# Altium PCB 电解模块主控板SC_V1.1_ZM_20211015.PcbDoc (part 2 of 4) (continued)
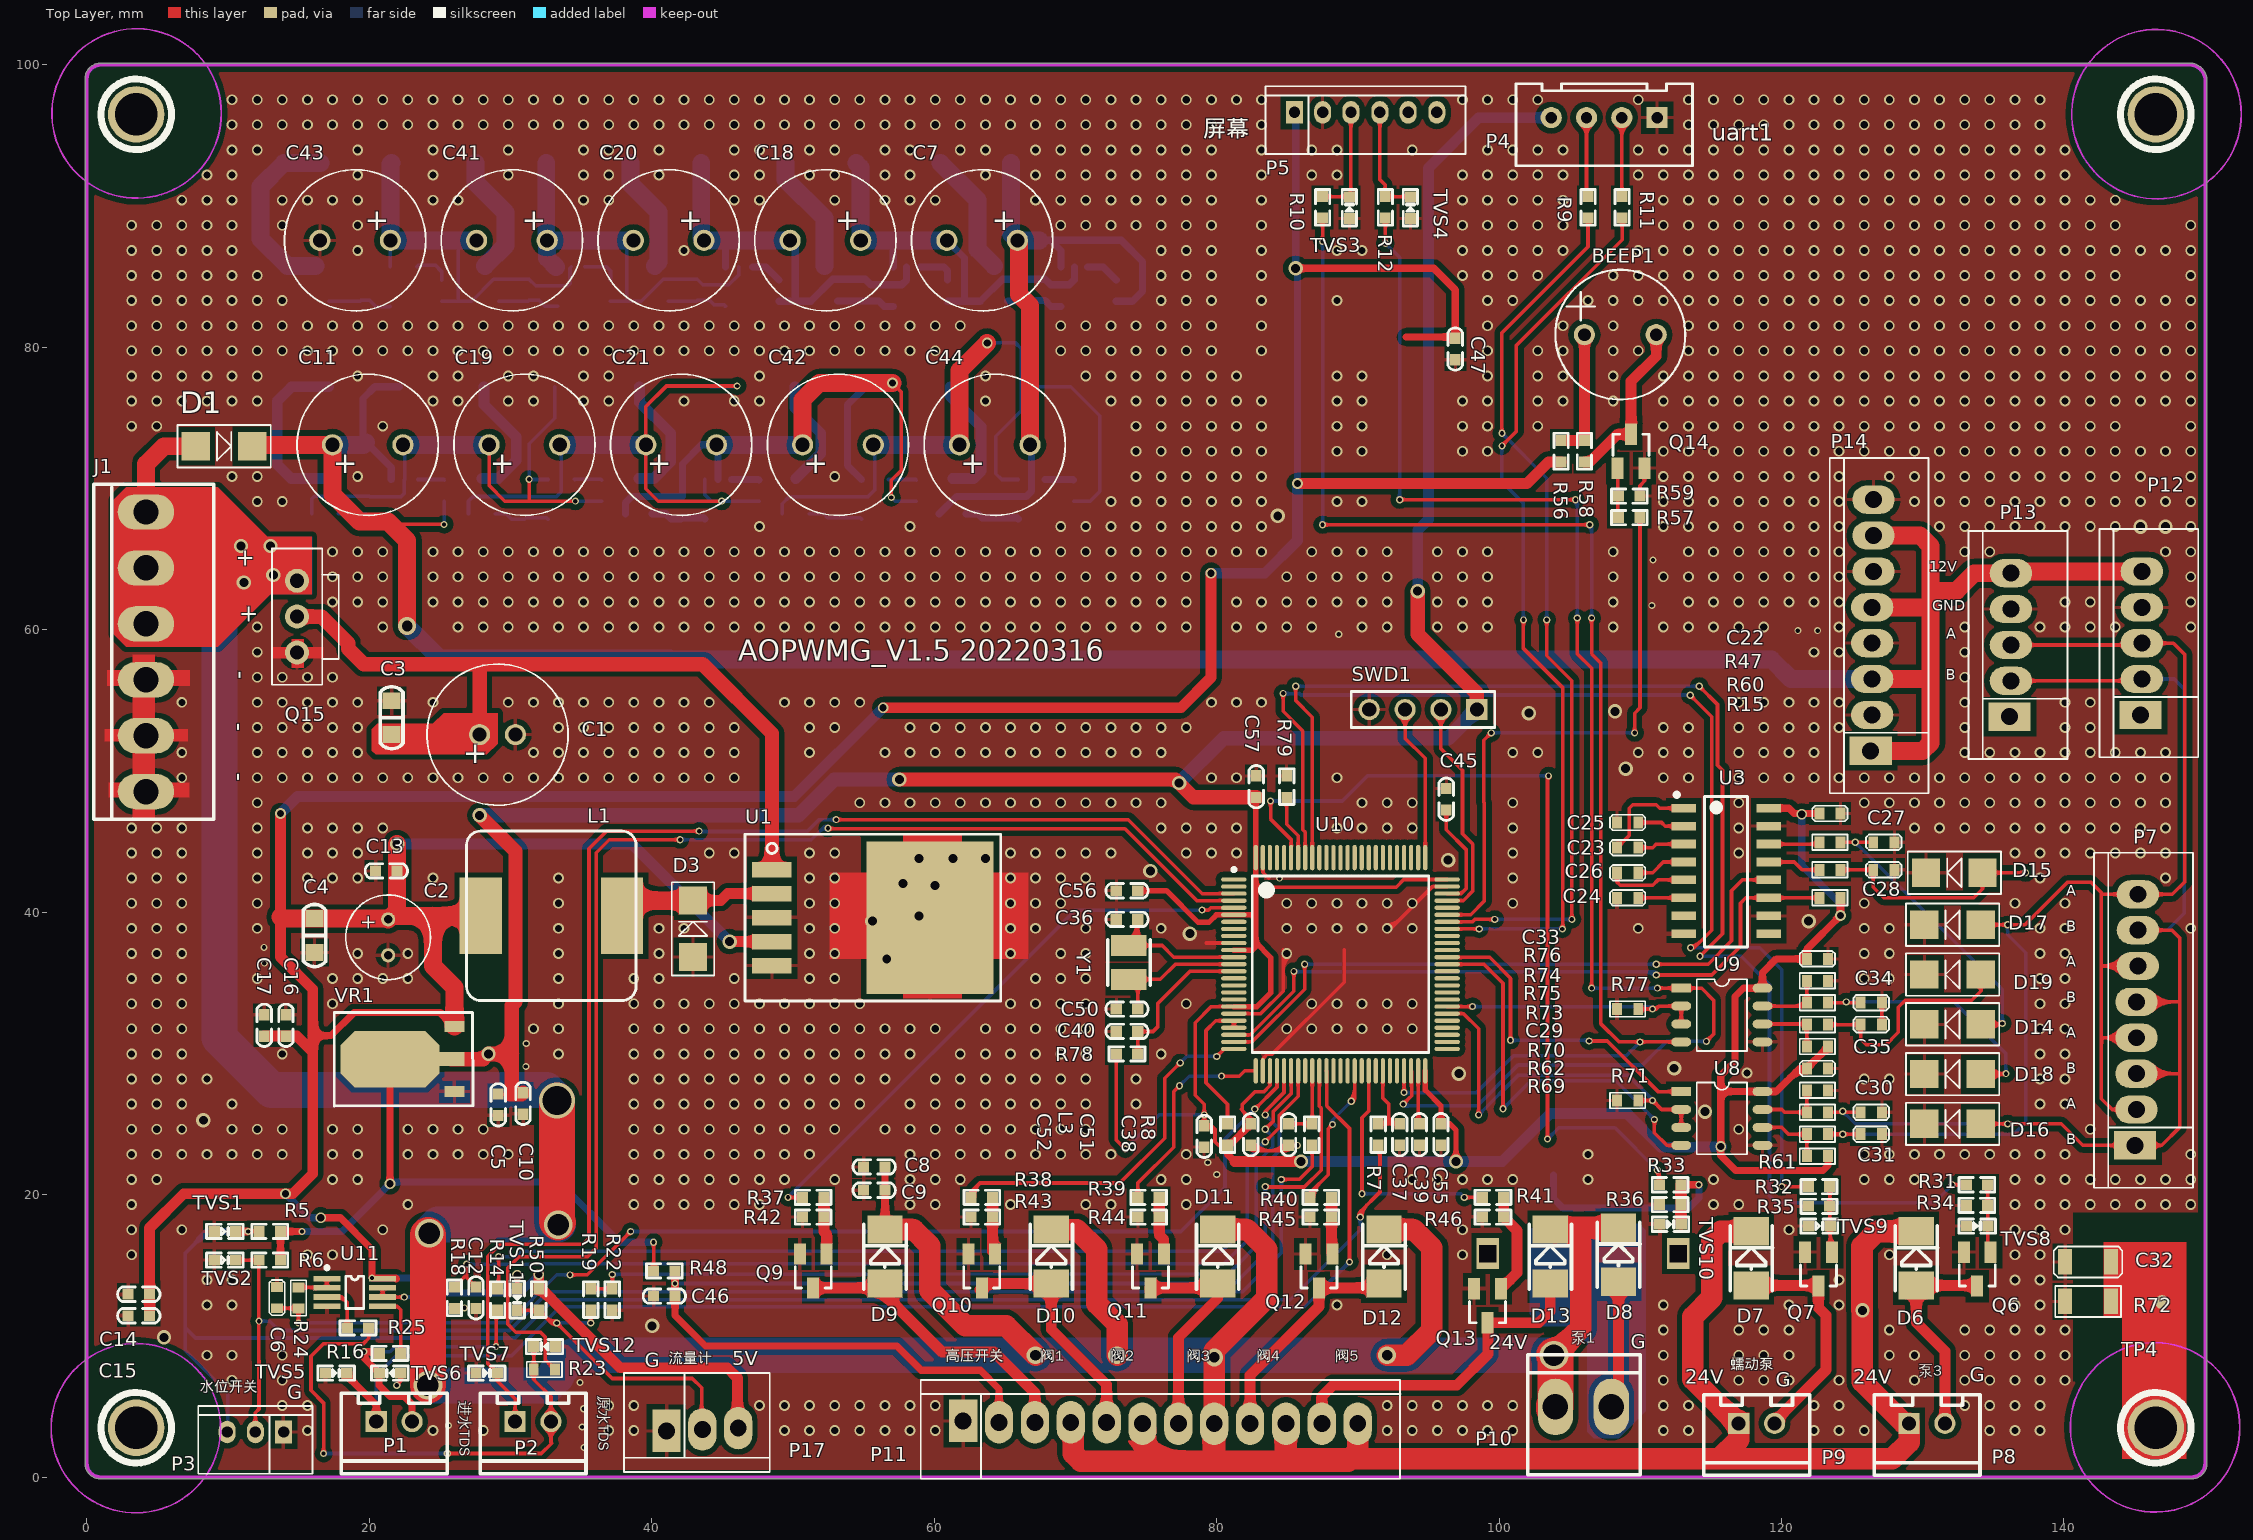
[diagram p0: Top Layer view]
## Nets (pads, with @x,y where several pads share a name; then routed paths per layer and width w, separated by ;. In a path a pad name is that pad's centre, name@x,y a point inside that pad or via, vN(x,y) a via of type N, cw(c..) or ccw(c..) an arc to the next point about the centre after c; other vN are vias at no path point) (continued)
 3.175,86.868 4.953,86.868 6.731,86.868 8.509,86.868 10.287,86.868 19.177,86.868 42.291,86.868 76.073,86.868 77.851,86.868 79.629,86.868 83.185,86.868 88.519,86.868 90.297,86.868 97.409,86.868 99.187,86.868 100.965,86.868 102.743,86.868 104.521,86.868 109.855,86.868 111.633,86.868 113.411,86.868 115.189,86.868 116.967,86.868 118.745,86.868 120.523,86.868 122.301,86.868 124.079,86.868 125.857,86.868 127.635,86.868 129.413,86.868 131.191,86.868 132.969,86.868 134.747,86.868 136.525,86.868 138.303,86.868 140.081,86.868 141.859,86.868 143.637,86.868 145.415,86.868 147.193,86.868 148.971,86.868 3.175,88.646 4.953,88.646 6.731,88.646 8.509,88.646 10.287,88.646 13.843,88.646 19.177,88.646 68.961,88.646 70.739,88.646 72.517,88.646 74.295,88.646 76.073,88.646 77.851,88.646 79.629,88.646 83.185,88.646 97.409,88.646 99.187,88.646 100.965,88.646 102.743,88.646 104.521,88.646 111.633,88.646 113.411,88.646 115.189,88.646 116.967,88.646 118.745,88.646 120.523,88.646 122.301,88.646 124.079,88.646 125.857,88.646 127.635,88.646 129.413,88.646 131.191,88.646 132.969,88.646 134.747,88.646 136.525,88.646 138.303,88.646 140.081,88.646 141.859,88.646 143.637,88.646 148.971,88.646 6.731,90.424 8.509,90.424 10.287,90.424 13.843,90.424 15.621,90.424 17.399,90.424 19.177,90.424 24.511,90.424 26.289,90.424 35.179,90.424 36.957,90.424 45.847,90.424 47.625,90.424 52.959,90.424 56.515,90.424 58.293,90.424 60.071,90.424 67.183,90.424 68.961,90.424 70.739,90.424 72.517,90.424 74.295,90.424 76.073,90.424 77.851,90.424 79.629,90.424 83.185,90.424 97.409,90.424 99.187,90.424 100.965,90.424 102.743,90.424 104.521,90.424 111.633,90.424 113.411,90.424 115.189,90.424 116.967,90.424 118.745,90.424 120.523,90.424 122.301,90.424 124.079,90.424 125.857,90.424 127.635,90.424 129.413,90.424 131.191,90.424 132.969,90.424 134.747,90.424 136.525,90.424 138.303,90.424 140.081,90.424 141.859,90.424 143.637,90.424 8.509,92.202 10.287,92.202 19.177,92.202 24.511,92.202 29.845,92.202 35.179,92.202 36.957,92.202 40.513,92.202 45.847,92.202 47.625,92.202 51.181,92.202 52.959,92.202 56.515,92.202 58.293,92.202 63.627,92.202 67.183,92.202 68.961,92.202 70.739,92.202 72.517,92.202 74.295,92.202 76.073,92.202 77.851,92.202 79.629,92.202 83.185,92.202 86.741,92.202 88.519,92.202 97.409,92.202 99.187,92.202 100.965,92.202 102.743,92.202 104.521,92.202 109.855,92.202 111.633,92.202 113.411,92.202 115.189,92.202 116.967,92.202 118.745,92.202 120.523,92.202 122.301,92.202 124.079,92.202 125.857,92.202 127.635,92.202 129.413,92.202 131.191,92.202 132.969,92.202 134.747,92.202 136.525,92.202 138.303,92.202 140.081,92.202 10.287,93.98 12.065,93.98 19.177,93.98 24.511,93.98 29.845,93.98 35.179,93.98 36.957,93.98 40.513,93.98 45.847,93.98 47.625,93.98 51.181,93.98 52.959,93.98 56.515,93.98 58.293,93.98 61.849,93.98 63.627,93.98 67.183,93.98 68.961,93.98 70.739,93.98 72.517,93.98 74.295,93.98 76.073,93.98 77.851,93.98 79.629,93.98 83.185,93.98 86.741,93.98 88.519,93.98 93.853,93.98 99.187,93.98 100.965,93.98 102.743,93.98 104.521,93.98 109.855,93.98 111.633,93.98 113.411,93.98 115.189,93.98 116.967,93.98 118.745,93.98 120.523,93.98 122.301,93.98 124.079,93.98 125.857,93.98 127.635,93.98 129.413,93.98 131.191,93.98 132.969,93.98 134.747,93.98 136.525,93.98 138.303,93.98 140.081,93.98 10.287,95.758 12.065,95.758 13.843,95.758 15.621,95.758 17.399,95.758 19.177,95.758 20.955,95.758 22.733,95.758 24.511,95.758 26.289,95.758 28.067,95.758 29.845,95.758 31.623,95.758 33.401,95.758 35.179,95.758 36.957,95.758 38.735,95.758 40.513,95.758 42.291,95.758 44.069,95.758 45.847,95.758 47.625,95.758 49.403,95.758 51.181,95.758 52.959,95.758 54.737,95.758 56.515,95.758 58.293,95.758 60.071,95.758 61.849,95.758 63.627,95.758 65.405,95.758 67.183,95.758 68.961,95.758 70.739,95.758 72.517,95.758 74.295,95.758 76.073,95.758 77.851,95.758 79.629,95.758 83.185,95.758 113.411,95.758 115.189,95.758 116.967,95.758 118.745,95.758 120.523,95.758 122.301,95.758 124.079,95.758 125.857,95.758 127.635,95.758 129.413,95.758 131.191,95.758 132.969,95.758 134.747,95.758 136.525,95.758 138.303,95.758 10.287,97.536 12.065,97.536 13.843,97.536 15.621,97.536 17.399,97.536 19.177,97.536 20.955,97.536 22.733,97.536 24.511,97.536 26.289,97.536 28.067,97.536 29.845,97.536 31.623,97.536 33.401,97.536 35.179,97.536 36.957,97.536 38.735,97.536 40.513,97.536 42.291,97.536 44.069,97.536 45.847,97.536 47.625,97.536 49.403,97.536 51.181,97.536 52.959,97.536 54.737,97.536 56.515,97.536 58.293,97.536 60.071,97.536 61.849,97.536 63.627,97.536 65.405,97.536 67.183,97.536 68.961,97.536 70.739,97.536 72.517,97.536 74.295,97.536 76.073,97.536 77.851,97.536 79.629,97.536 81.407,97.536 83.185,97.536 97.409,97.536 99.187,97.536 100.965,97.536 102.743,97.536 109.855,97.536 113.411,97.536 115.189,97.536 116.967,97.536 118.745,97.536 120.523,97.536 122.301,97.536 124.079,97.536 125.857,97.536 127.635,97.536 129.413,97.536 131.191,97.536 132.969,97.536 134.747,97.536 136.525,97.536 138.303,97.536
  other v2: 35.204,2.108 35.077,3.556 25.603,3.658 35.179,4.851 34.925,6.706 80.01,21.438 79.375,22.276 31.09,29.083 31.115,30.709 12.573,36.398 12.548,37.516 84.455,42.418 88.646,59.69 121.158,59.944 122.555,59.944 110.82,61.722 110.896,64.948
  other v3: 5.461,9.906 40.03,10.719 8.255,25.273 114.579,25.883 97.155,28.575 112.395,28.956 56.642,36.703 78.105,38.481 55.626,39.37 121.92,39.37 58.928,39.751 60.071,41.91 57.785,42.037 75.311,42.926 96.393,43.688 58.928,43.815 61.341,43.815 63.627,43.815 108.966,50.165 102.108,54.102 108.204,54.229 145.415,67.31 147.193,67.31 84.328,68.072
J3-2: C28.1 D15.1 R60.2 | length 19.9
  Top Layer w0.254: R60.2@124.182,43.011 C28.1@126.492,43.011 126.492,41.783 127.254,41.021 133.604,41.021 134.239,41.656 ; R60.2@124.34,42.853 cw(c124.72,42.472) 124.72,43.011 cw(c124.72,43.549) R60.2@124.34,43.168 ; C28.1@126.334,42.778 cw(c125.954,42.397) 126.492,42.397 cw(c127.03,42.397) C28.1@126.65,42.778 ; C28.1@126.334,42.853 ccw(c125.954,42.472) 125.954,43.011 ccw(c125.954,43.549) C28.1@126.334,43.168 ; D15.1@134.009,41.957 cw(c133.927,41.656) 134.239,41.656 ; D15.1@134.469,41.957 ccw(c134.551,41.656) 134.239,41.656 ; v2@137.197,42.709 ccw(c136.98,42.492) 136.98,42.799 ccw(c136.98,43.106) v2@137.197,42.889 ; v2(137.287,42.799) D15.1@134.239,42.799 134.239,41.656
J3-3: C27.1 D14.1 R47.2 | length 25.3
  Top Layer w0.254: R47.2@124.182,44.958 C27.1@126.492,44.958 ; D14.1@134.112,32.067 v2@135.572,32.067 ; D14.1@134.657,31.774 cw(c135.148,31.511) 135.148,32.067 cw(c135.148,32.624) D14.1@134.657,32.361 ; D14.1@134.881,31.654 cw(c135.572,31.282) v2@135.572,32.067 ; D14.1@134.881,32.481 ccw(c135.572,32.853) v2@135.572,32.067 ; 135.176,32.067 ccw(c135.176,32.591) v2@135.546,32.221 ; v2(135.636,32.131) v2@135.572,32.067
  Bottom Layer w0.254: v2@125.222,44.831 cw(c125.222,44.524) 125.439,44.741 cw(c125.656,44.958) v2@125.349,44.958 ; v2(125.222,44.958) 135.636,34.544 v2(135.636,32.131) ; v2@135.546,32.221 ccw(c135.329,32.438) 135.636,32.438 ccw(c135.943,32.438) v2@135.726,32.221
J3-4: C31.1 D17.1 P7.2 P7.4 P7.6 P7.8 P12.3 P13.3 R69.2 | length 113.4
  Top Layer w0.254: R69.2@123.293,24.285 v2(124.333,24.285) C31.1@125.603,24.285 ; R69.2@123.451,24.128 cw(c123.831,23.747) 123.831,24.285 cw(c123.831,24.824) R69.2@123.451,24.443 ; v2@124.243,24.195 ccw(c124.026,23.979) 124.026,24.285 ccw(c124.026,24.592) v2@124.243,24.375 ; v2@124.423,24.195 cw(c124.64,23.979) 124.64,24.285 cw(c124.64,24.592) v2@124.423,24.375 ; C31.1@125.445,24.128 ccw(c125.065,23.747) 125.065,24.285 ccw(c125.065,24.824) C31.1@125.445,24.443 ; D17.1@134.112,39.116 v2(136.017,39.116) 137.236,39.116 140.233,42.113 141.935,42.113 142.646,41.402 142.646,31.013 ; v2@135.927,39.026 ccw(c135.71,38.809) 135.71,39.116 ccw(c135.71,39.423) v2@135.927,39.206 ; v2@136.107,39.026 cw(c136.324,38.809) 136.324,39.116 cw(c136.324,39.423) v2@136.107,39.206 ; P13.3@136.244,58.928 145.388,58.928 P12.3@145.515,59.055 147.752,59.055 148.565,58.242 148.565,42.164 147.676,41.275 P7.8@145.234,41.275 142.773,41.275 ; P7.2@143.809,25.75 ccw(c143.408,25.611) 143.408,26.035 ; P7.2@143.809,26.32 cw(c143.408,26.459) 143.408,26.035 ; P7.4@143.968,30.55 ccw(c142.748,29.515) 142.748,31.115 ; P7.4@143.968,31.68 cw(c142.748,32.715) 142.748,31.115 ; P7.6@144.102,35.593 ccw(c142.697,34.256) 142.697,36.195 ; P7.6@144.102,36.797 cw(c142.697,38.134) 142.697,36.195 ; P7.4@144.162,30.714 ccw(c143.297,29.98) 143.297,31.115 ccw(c143.297,32.25) P7.4@144.162,31.516 ; P7.6@144.286,35.768 ccw(c143.29,34.82) 143.29,36.195 ccw(c143.29,37.57) P7.6@144.286,36.622 ; P7.2@145.134,26.035 143.408,26.035 ; P7.4@145.134,31.115 142.748,31.115 ; P7.6@145.234,36.195 142.697,36.195 ; 142.646,31.013 142.646,26.797 143.408,26.035 ; 142.646,31.013 142.748,31.115
  Bottom Layer w0.254: v2(124.333,24.285) 136.426,24.285 137.287,25.146 137.287,37.135 136.017,38.405 v2(136.017,39.116) ; v2@124.423,24.195 cw(c124.64,23.979) 124.64,24.285 cw(c124.64,24.592) v2@124.423,24.375 ; v2@135.927,39.026 cw(c135.71,38.809) 136.017,38.809 cw(c136.324,38.809) v2@136.107,39.026
J3-7: C35.1 D19.1 R75.2 | length 19.2
  Top Layer w0.254: R75.2@123.293,32.046 C35.1@125.603,32.046 125.603,31.03 126.026,30.607 127.381,30.607 128.27,31.496 128.27,33.274 128.778,33.782 133.477,33.782 134.112,34.417 ; R75.2@123.451,31.889 cw(c123.831,31.508) 123.831,32.046 cw(c123.831,32.585) R75.2@123.451,32.204 ; C35.1@125.445,31.814 cw(c125.065,31.433) 125.603,31.433 cw(c126.141,31.433) C35.1@125.761,31.814 ; C35.1@125.445,31.889 ccw(c125.065,31.508) 125.065,32.046 ccw(c125.065,32.585) C35.1@125.445,32.204 ; D19.1@133.86,34.756 cw(c133.758,34.417) 134.112,34.417 ; D19.1@134.112,35.592 134.112,34.417 ; D19.1@134.364,34.756 ccw(c134.466,34.417) 134.112,34.417
J3-8: C34.1 D18.1 R74.2 | length 23.8
  Top Layer w0.254: R74.2@123.293,33.599 C34.1@125.603,33.599 ; D18.1@134.112,28.543 v2@135.858,28.543 ; D18.1@134.607,28.172 cw(c135.35,27.615) 135.35,28.543 cw(c135.35,29.472) D18.1@134.607,28.915 ; D18.1@134.81,28.019 cw(c135.858,27.233) v2@135.858,28.543 ; D18.1@134.81,29.067 ccw(c135.858,29.853) v2@135.858,28.543 ; 135.507,28.543 ccw(c135.507,28.958) v2@135.8,28.665 ; v2(135.89,28.575) v2@135.858,28.543
  Bottom Layer w0.254: v2(124.587,33.655) 132.207,33.655 135.89,29.972 v2(135.89,28.575) ; v2@124.677,33.565 cw(c124.894,33.348) 124.894,33.655 cw(c124.894,33.962) v2@124.677,33.745 ; v2@135.8,28.665 ccw(c135.583,28.882) 135.89,28.882 ccw(c136.197,28.882) v2@135.98,28.665
J3-9: C30.1 D16.1 P7.1 P7.3 P7.5 P7.7 P12.2 P13.2 R62.2 | length 99.3
  Top Layer w0.254: R62.2@123.293,25.837 C30.1@125.603,25.837 ; D16.1@134.112,25.019 v2(136.017,25.019) 139.802,25.019 141.326,23.495 P7.1@145.034,23.495 146.914,23.495 ; v2@135.927,24.929 ccw(c135.71,24.712) 135.71,25.019 ccw(c135.71,25.326) v2@135.927,25.109 ; v2@136.107,24.929 cw(c136.324,24.712) 136.324,25.019 cw(c136.324,25.326) v2@136.107,25.109 ; P13.2@136.244,56.388 145.388,56.388 P12.2@145.515,56.515 ; P7.3@145.134,28.575 148.158,28.575 148.184,28.6 ; P7.5@145.134,33.655 148.158,33.655 148.184,33.63 ; P7.7@145.234,38.735 147.65,38.735 148.184,38.202 148.184,33.63 ; P7.3@146.072,28.137 cw(c147.128,27.081) 147.128,28.575 cw(c147.128,30.069) P7.3@146.072,29.013 ; P7.5@146.072,33.217 cw(c147.128,32.161) 147.128,33.655 cw(c147.128,35.149) P7.5@146.072,34.093 ; P7.3@146.251,27.958 cw(c147.742,26.467) 147.742,28.575 cw(c147.742,30.683) P7.3@146.251,29.192 ; P7.5@146.251,33.038 cw(c147.742,31.547) 147.742,33.655 cw(c147.742,35.763) P7.5@146.251,34.272 ; P7.1@146.323,23.121 cw(c146.914,22.841) 146.914,23.495 ; P7.1@146.323,23.869 ccw(c146.914,24.149) 146.914,23.495 ; 146.914,23.495 148.184,24.765 148.184,28.6 ; 148.184,28.6 148.184,33.63
  Bottom Layer w0.254: v2@124.333,25.781 cw(c124.333,25.474) 124.55,25.691 cw(c124.767,25.908) v2@124.46,25.908 ; v2(124.333,25.908) 125.222,25.019 v2(136.017,25.019) ; v2@135.927,24.929 ccw(c135.71,24.712) 135.71,25.019 ccw(c135.71,25.326) v2@135.927,25.109 ; P7.7@145.234,38.735 147.32,38.735 148.514,39.929 148.514,55.804 147.803,56.515 P12.2@145.515,56.515
LOW: P3.3 R5.2 R7.1 TVS1.2 | length 118
  Top Layer w0.254: v2@11.52,17.309 cw(c11.737,17.092) 11.737,17.399 cw(c11.737,17.706) v2@11.52,17.489 ; R5.2@11.965,17.253 ccw(c11.684,17.055) 11.684,17.399 ; R5.2@11.965,17.545 cw(c11.684,17.743) 11.684,17.399 ; R5.2@12.192,17.399 11.684,17.399 ; v2@90.043,18.415 cw(c90.656,18.415) 90.223,18.849 ; v2@90.08,18.505 ccw(c89.863,18.722) 90.17,18.722 ccw(c90.477,18.722) v2@90.26,18.505 ; v2(90.17,18.415) 90.17,18.796 91.567,20.193 91.567,23.368 R7.1@91.44,23.495 ; v2@90.297,18.415 cw(c91.523,18.415) 90.656,19.282 ; R7.1@91.26,23.296 cw(c90.52,22.556) 91.567,22.556
  Top Layer w0.508: TVS1.2@10.541,17.399 v2(11.43,17.399)
  Bottom Layer w0.254: 7.97,16.86 6.985,15.875 6.985,10.566 ; P3.3@9.97,3.2 9.97,5.977 6.985,8.962 6.985,10.566 ; v2@90.08,18.325 cw(c89.863,18.108) 90.17,18.108 cw(c90.477,18.108) v2@90.26,18.325 ; v2(90.17,18.415) 90.17,17.526 85.217,12.573 33.045,12.573 30.328,9.855 7.696,9.855 6.985,10.566
  Bottom Layer w0.508: 7.97,16.86 8.509,17.399 v2(11.43,17.399)
NetBEEP1_1: BEEP1.1 R56.1 R58.2 | length 10.4
  Top Layer w0.762: R56.1@104.394,73.406 R58.2@106.045,73.406 BEEP1.1@106.045,80.772 ; BEEP1.1@105.784,80.638 cw(c105.154,80.008) 106.045,80.008 cw(c106.936,80.008) BEEP1.1@106.306,80.638
NetBEEP1_2: BEEP1.2 Q14.3 R58.1 | length 13.9
  Top Layer w0.762: R58.1@106.045,71.882 106.426,71.882 108.388,73.844 Q14.3@109.347,73.844 109.347,77.597 111.125,79.375 BEEP1.2@111.125,80.772 ; R58.1@106.045,71.901 ccw(c106.045,72.867) 106.728,72.184 ; BEEP1.2@110.864,80.638 cw(c110.234,80.008) 111.125,80.008 cw(c112.016,80.008) BEEP1.2@111.386,80.638
NetC6_2: C6.2 R24.1 U10.29 | length 88.3
  Top Layer w0.254: C6.2@13.462,11.962 14.962,11.962 R24.1@14.986,11.938 v2(14.986,10.922) ; C6.2@13.695,11.804 cw(c14.075,11.424) 14.075,11.962 cw(c14.075,12.5) C6.2@13.695,12.12 ; 14.315,11.962 cw(c14.315,11.342) R24.1@14.753,11.78 ; 14.431,11.962 ccw(c14.431,12.418) R24.1@14.753,12.096 ; R24.1@14.828,11.78 cw(c14.448,11.4) 14.986,11.4 cw(c15.524,11.4) R24.1@15.144,11.78 ; v2@14.896,11.012 ccw(c14.679,11.229) 14.986,11.229 ccw(c15.293,11.229) v2@15.076,11.012 ; v2(34.214,14.326) 35.433,14.326 v2(38.506,17.399) ; v2@34.304,14.236 cw(c34.52,14.019) 34.52,14.326 cw(c34.52,14.632) v2@34.304,14.415 ; v2@38.379,17.399 cw(c38.073,17.399) 38.29,17.182 cw(c38.506,16.965) v2@38.506,17.272 ; v2(82.702,26.06) 84.273,27.631 U10.29@84.273,28.772 ; v2@82.702,26.187 ccw(c82.702,26.494) 82.919,26.277 ccw(c83.136,26.06) v2@82.829,26.06
  Bottom Layer w0.254: v2(14.986,10.922) 29.883,10.922 33.287,14.326 v2(34.214,14.326) ; v2@15.076,10.832 cw(c15.293,10.615) 15.293,10.922 cw(c15.293,11.229) v2@15.076,11.012 ; v2@34.124,14.236 ccw(c33.907,14.019) 33.907,14.326 ccw(c33.907,14.632) v2@34.124,14.415 ; v2(38.506,17.399) 77.47,17.399 80.594,20.523 80.594,23.952 v2(82.702,26.06) ; v2@38.596,17.309 cw(c38.813,17.092) 38.813,17.399 cw(c38.813,17.706) v2@38.596,17.489 ; v2@82.575,26.06 cw(c82.269,26.06) 82.486,25.844 cw(c82.702,25.627) v2@82.702,25.933
NetC7_1: C7.1 C44.2 Q20.2 R1.1 R27.1 R114.2 U4.1 U15.2 | length 46.9
  Top Layer w1.27: C7.1@65.898,87.579 66.015,87.463 66.015,83.744 66.787,82.971 C44.2@66.787,73.101
  Bottom Layer w0.508: Q20.2@60.366,68.219 61.583,69.437 R114.2@64.313,69.437 66.516,69.437 66.904,69.825 U15.2@66.904,70.644 66.904,72.985 C44.2@66.787,73.101 ; 67.462,87.579 68.25,87.579 ; U4.1@68.976,85.7 68.976,86.853 68.25,87.579 ; R27.1@72.898,83.272 74.051,83.272 74.752,83.972 74.752,86.081 73.254,87.579 68.25,87.579
  Bottom Layer w1.27: R1.1@65.456,93.04 65.456,88.022 C7.1@65.898,87.579 67.462,87.579
NetC7_2: C7.2 C18.1 Q1.2 R28.2 R30.1 R65.1 U4.2 U6.1 | length 29.2
  Bottom Layer w0.508: U6.1@57.102,85.7 57.102,87.556 57.125,87.579 ; C7.2@60.898,87.579 62.154,86.324 62.154,83.272 ; R65.1@60.954,83.272 62.154,83.272 ; U4.2@69.926,85.7 69.926,84.785 69.571,84.43 68.25,84.43 67.857,84.822 R28.2@67.031,84.822 64.834,84.822 Q1.2@63.287,83.275 63.284,83.272 62.154,83.272
  Bottom Layer w1.27: R30.1@54.482,93.04 54.799,92.724 C18.1@54.799,87.579 57.125,87.579 C7.2@60.898,87.579
NetC11_2: C11.2 C19.1 Q2.2 R29.2 R53.1 R64.1 U2.2 U5.1 | length 39
  Top Layer w0.254: C19.1@28.488,73.101 28.488,70.216 29.591,69.113 31.217,69.113 ; v2(31.318,70.663) 31.318,69.215 31.217,69.113 ; v2(34.595,69.113) 31.217,69.113
  Bottom Layer w0.254: Q2.2@15.916,68.219 15.916,69.256 16.129,69.469 20.008,69.469 R29.2@20.041,69.437 22.269,69.437 22.479,69.647 22.479,70.619 U2.2@22.504,70.644 22.504,72.985 C11.2@22.388,73.101 ; U5.1@32.654,70.644 31.337,70.644 v2(31.318,70.663) 31.318,73.177 33.133,74.993 R53.1@33.133,77.216 ; v2(34.595,69.113) 34.603,69.105 R64.1@36.462,69.105
  Bottom Layer w1.27: C11.2@22.388,73.101 C19.1@28.488,73.101
NetC12_2: C12.2 R18.1 U10.31 | length 74.7
  Top Layer w0.254: R18.1@26.035,13.462 26.899,14.326 ; v2@26.809,14.998 cw(c26.592,14.781) 26.899,14.781 cw(c27.205,14.781) v2@26.988,14.998 ; v2(26.899,15.088) 26.899,14.326 ; C12.2@27.559,13.462 26.899,14.122 26.899,14.326 ; v2(83.439,24.638) 84.023,25.222 84.023,25.908 85.273,27.158 U10.31@85.273,28.772 ; v2@83.439,24.765 ccw(c83.439,25.072) 83.656,24.855 ccw(c83.873,24.638) v2@83.566,24.638
  Bottom Layer w0.254: v2(26.899,15.088) 31.471,15.088 31.496,15.113 80.518,15.113 82.804,17.399 82.804,22.225 83.972,23.393 83.972,24.105 v2(83.439,24.638) ; v2@26.988,14.998 cw(c27.205,14.781) 27.205,15.088 cw(c27.205,15.394) v2@26.988,15.177 ; v2@83.439,24.511 cw(c83.439,24.204) 83.656,24.421 cw(c83.873,24.638) v2@83.566,24.638
NetC18_2: C18.2 C20.1 Q3.2 R66.2 R68.1 R88.1 U6.2 U12.1 | length 29
  Bottom Layer w0.508: 44.983,87.579 45.227,87.335 U12.1@45.227,85.7 ; R88.1@49.009,83.272 50.165,83.272 ; C18.2@49.799,87.579 50.165,87.213 50.165,83.272 ; U6.2@58.052,85.7 58.052,84.773 57.709,84.43 55.517,84.43 R66.2@55.124,84.822 52.824,84.822 Q3.2@51.276,83.275 51.273,83.272 50.165,83.272
  Bottom Layer w1.27: R68.1@43.508,93.04 43.508,87.77 C20.1@43.699,87.579 44.983,87.579 C18.2@49.799,87.579
NetC19_2: C19.2 C21.1 Q4.2 R67.2 R83.1 R87.1 U5.2 U7.1 | length 42.9
  Top Layer w0.254: v2(44.958,69.113) 40.462,69.113 39.588,69.988 C21.1@39.588,73.101 39.588,75.808 41.046,77.267 v2(46.05,77.267)
  Bottom Layer w0.254: Q4.2@27.028,68.219 27.028,69.116 27.356,69.444 31.102,69.444 R67.2@31.109,69.437 33.267,69.437 33.604,69.774 U5.2@33.604,70.644 33.604,72.985 C19.2@33.488,73.101 ; U7.1@43.754,70.644 43.754,69.581 44.23,69.105 R87.1@47.6,69.105 ; R83.1@44.143,77.216 45.999,77.216 v2(46.05,77.267)
  Bottom Layer w1.27: C19.2@33.488,73.101 C21.1@39.588,73.101
NetC20_2: C20.2 C41.1 Q5.2 R89.2 R91.1 R100.1 U12.2 U14.1 | length 29
  Bottom Layer w0.254: R100.1@37.065,83.272 38.227,83.272 ; C20.2@38.699,87.579 38.227,87.107 38.227,83.272 ; U12.2@46.177,85.7 46.177,85.141 45.466,84.43 43.611,84.43 R89.2@43.218,84.822 40.814,84.822 Q5.2@39.266,83.275 39.263,83.272 38.227,83.272
  Bottom Layer w1.27: R91.1@32.535,93.04 32.535,87.644 C41.1@32.599,87.579 ; U14.1@33.215,85.7 32.599,86.316 C41.1@32.599,87.579 ; C20.2@38.699,87.579 C41.1@32.599,87.579
NetC21_2: C21.2 C42.1 Q16.2 R90.2 R95.1 R99.1 U7.2 U13.1 | length 48.8
  Top Layer w0.254: v2(56.972,69.367) 56.972,70.587 57.658,71.272 57.658,76.86 v1(57.048,77.47)
  Top Layer w1.27: C42.1@50.688,73.101 50.688,76.291 51.867,77.47 v1(57.048,77.47)
  Bottom Layer w0.254: v2(56.972,69.367) 57.235,69.105 R99.1@58.737,69.105
  Bottom Layer w0.508: Q16.2@38.141,68.219 38.141,69.002 38.583,69.444 42.17,69.444 R90.2@42.177,69.437 42.177,71.742 43.536,73.101 C21.2@44.588,73.101 44.704,72.985 U7.2@44.704,70.644 ; U13.1@54.854,70.644 53.873,71.624 53.873,75.936 R95.1@55.153,77.216 ; R95.1@55.407,77.216 R95.1@55.407,77.47
  Bottom Layer w1.27: C21.2@44.588,73.101 C42.1@50.688,73.101 ; R95.1@55.407,77.47 v1(57.048,77.47)
NetC23_1: C23.1 U3.1 | length 8.7
  Top Layer w0.254: C23.1@108.355,44.577 109.22,45.442 109.22,47.371 109.474,47.625 111.125,47.625 111.379,47.371 U3.1@113.068,47.371 ; C23.1@108.355,44.875 ccw(c108.355,45.594) 108.864,45.086 ; C23.1@108.578,44.652 cw(c108.935,44.652) C23.1@108.683,44.905 ; U3.1@112.384,47.245 ccw(c112.08,46.942) 112.08,47.371 ccw(c112.08,47.8) U3.1@112.384,47.497
NetC23_2: C23.2 U3.3 | length 4.8
  Top Layer w0.254: C23.2@109.855,44.577 110.871,44.577 111.125,44.831 U3.3@113.068,44.831 ; C23.2@110.013,44.419 cw(c110.393,44.039) 110.393,44.577 cw(c110.393,45.115) C23.2@110.013,44.735 ; U3.3@112.384,44.705 ccw(c112.08,44.402) 112.08,44.831 ccw(c112.08,45.26) U3.3@112.384,44.957
NetC24_1: C24.1 U3.6 | length 4.7
  Top Layer w0.254: C24.1@109.855,41.021 U3.6@113.068,41.021 ; C24.1@110.013,40.863 cw(c110.393,40.483) 110.393,41.021 cw(c110.393,41.559) C24.1@110.013,41.179 ; U3.6@112.384,40.895 ccw(c112.08,40.592) 112.08,41.021 ccw(c112.08,41.45) U3.6@112.384,41.147
NetC25_1: C25.1 U3.2 | length 4.8
  Top Layer w0.254: C25.1@109.855,46.355 111.506,46.355 111.76,46.101 U3.2@113.068,46.101 ; C25.1@110.013,46.197 cw(c110.393,45.817) 110.393,46.355 cw(c110.393,46.893) C25.1@110.013,46.513 ; U3.2@112.384,45.975 ccw(c112.08,45.672) 112.08,46.101 ccw(c112.08,46.53) U3.2@112.384,46.227
NetC26_1: C26.1 U3.5 | length 7.1
  Top Layer w0.254: C26.1@108.197,42.566 cw(c107.817,42.186) 108.355,42.186 cw(c108.893,42.186) C26.1@108.513,42.566 ; C26.1@108.355,42.799 108.355,42.14 108.585,41.91 110.871,41.91 111.252,42.291 U3.5@113.068,42.291 ; U3.5@112.384,42.165 ccw(c112.08,41.862) 112.08,42.291 ccw(c112.08,42.72) U3.5@112.384,42.417
NetC26_2: C26.2 U3.4 | length 5
  Top Layer w0.254: C26.2@109.855,42.799 110.871,42.799 111.633,43.561 U3.4@113.068,43.561 ; C26.2@110.013,42.641 cw(c110.393,42.261) 110.393,42.799 cw(c110.393,43.337) C26.2@110.013,42.957 ; U3.4@112.384,43.435 ccw(c112.08,43.132) 112.08,43.561 ccw(c112.08,43.99) U3.4@112.384,43.687
NetC32_2: C32.2 pad.0@146.5,3.5 R72.2 TP4.1
NetC36_1: C36.1 U10.12 Y1.2 | length 13.3
  Top Layer w0.254: Y1.2@73.846,38.09 ccw(c72.457,39.479) C36.1@74.422,39.479 ; Y1.2@74.026,37.91 ccw(c73.07,38.866) 74.422,38.866 ; C36.1@74.242,39.317 cw(c73.809,38.884) 74.422,38.884 cw(c75.035,38.884) C36.1@74.602,39.317 ; 74.422,38.827 ccw(c75.465,38.827) Y1.2@74.728,38.09 ; C36.1@74.422,39.497 74.422,37.776 74.549,37.649 76.143,37.649 76.97,36.822 U10.12@81.223,36.822